# Altium PCB Jetson AGX Xavier Carrier Board.PcbDoc (part 4 of 4)
Units mil, origin at the board's own origin, x right, y up, seen from the top; angles counter-clockwise.
Board outline 6000 x 4000 mil, 10 copper layers (Top Layer, Int1 (GND), Int2 (PWR), Int3 (Sign), Int4 (GND, Int5 (GND), Int6 (Sign), Int7 (PWR), Int8 (GND), Bottom Layer), stack 61.78 mil thick; 553 components, 749 nets, 2510 pads, 297 vias.
Unrouted connection lines stored in the file: 1324.
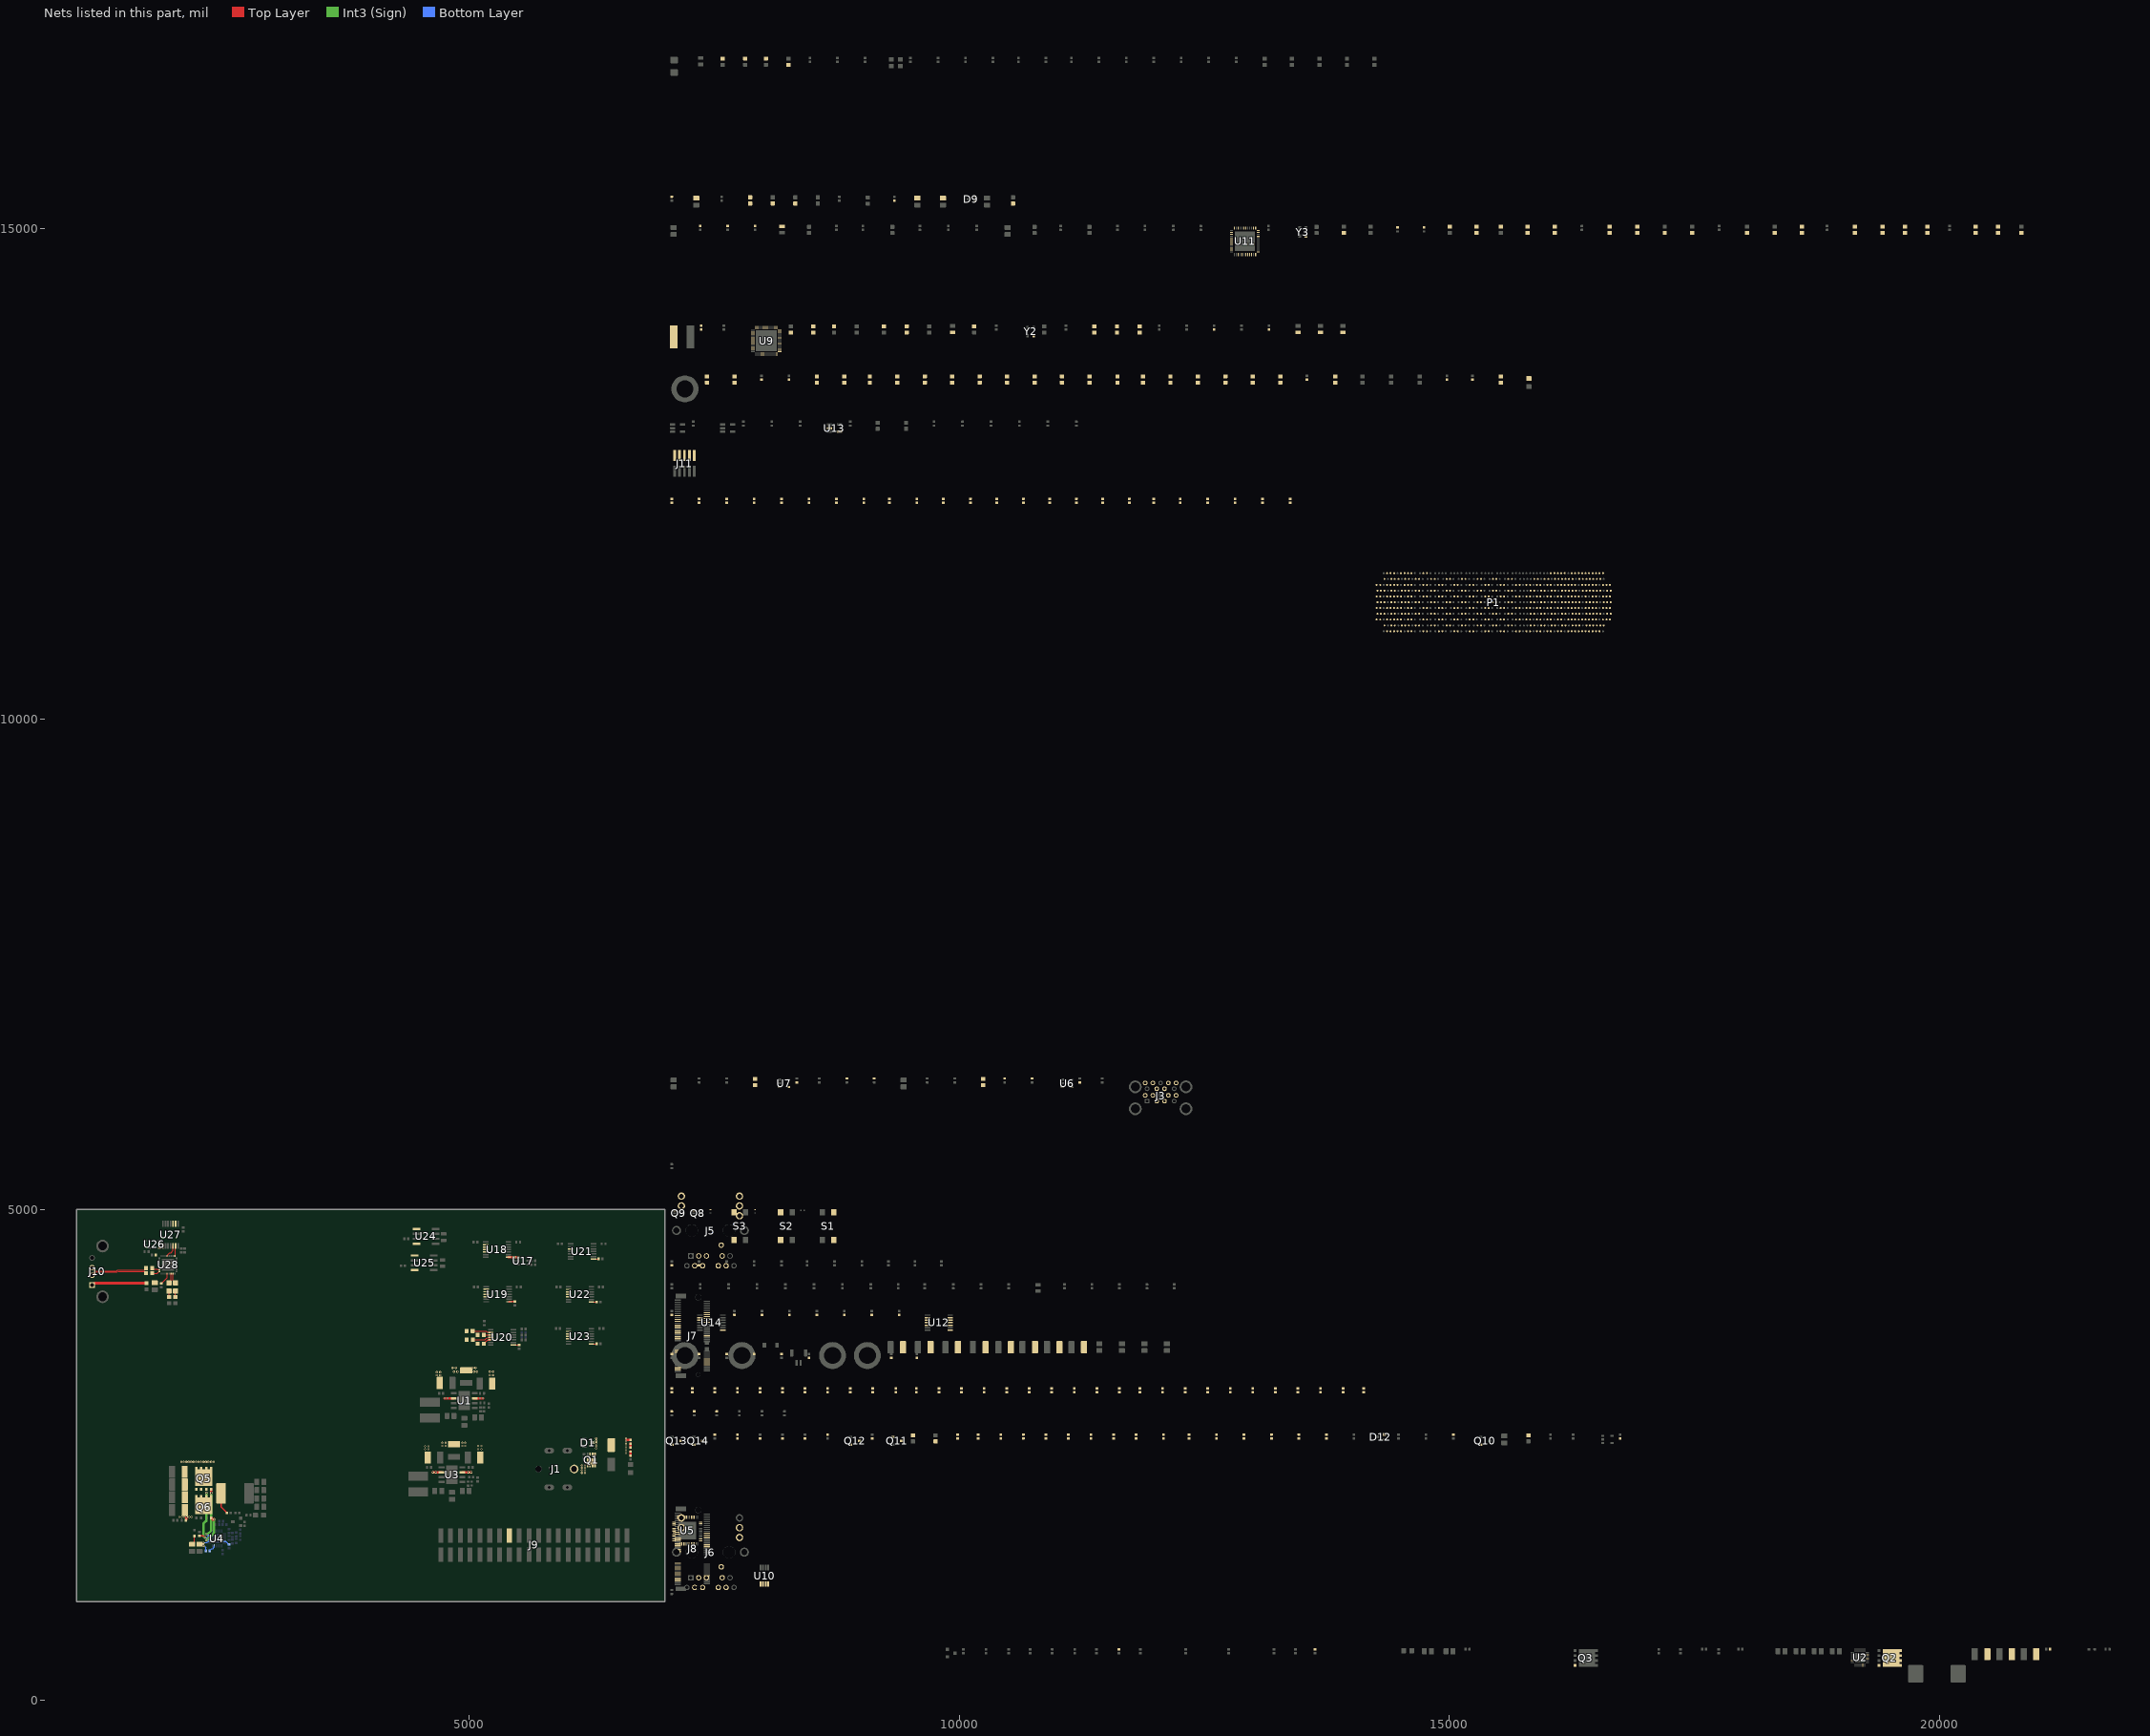
[diagram p12: the nets of this part, all layers, seen from the top]

## Via types
v1: diameter 22, hole 10, Top Layer to Bottom Layer, 297 vias

## Nets (pads, with @x,y where several pads share a name; then routed paths per layer and width w, separated by ;. In a path a pad name is that pad's centre, name@x,y a point inside that pad or via, vN(x,y) a via of type N, cw(c..) or ccw(c..) an arc to the next point about the centre after c; other vN are vias at no path point) (continued)
NetD14_2: D14.2 R140.2
NetD15_1: D15.1 R185.1 | length 62.3
  Top Layer w10: R185.1@2010,4105 D15.1@2010,4167.32
NetD16_1: D16.1 R186.1 | length 62.3
  Top Layer w10: R186.1@1945,4105 D16.1@1945,4167.32
NetJ5_13: J5.13 U9.38 U10.1
NetJ5_14: J5.14 R86.2
NetJ5_15: J5.15 R93.1 U9.37 U10.3
NetJ5_16: J5.16 R89.2
NetJ5_17: J5.17 R88.2 R91.1
NetJ6_14: J6.14 R110.2
NetJ6_16: J6.16 R112.2
NetJ7_8: J7.8 U12.2
NetJ7_10: J7.10 U12.3
NetJ7_12: J7.12 U12.4
NetJ7_14: J7.14 U12.5
NetJ7_21: J7.21
NetJ7_23: J7.23
NetJ7_38: J7.38
NetJ7_56: J7.56 R136.1 U13.2
NetJ7_59: J7.59
NetJ7_62: J7.62 R138.1
NetJ8_5: J8.5 R143.2
NetJ8_7: J8.7 R145.2
NetJ8_10: J8.10 R140.1
NetJ8_11: J8.11 R147.2
NetJ8_13: J8.13 R148.2
NetJ8_17: J8.17 R149.2
NetJ8_19: J8.19 R150.2
NetJ8_23: J8.23 R151.2
NetJ8_25: R152.2
NetJ8_29: R153.2
NetJ8_31: R154.2
NetJ8_35: J8.35 R155.2
NetJ8_37: J8.37 R156.2
NetJ8_41: J8.41 R157.2
NetJ8_43: J8.43 R158.2
NetJ8_47: J8.47 R159.2
NetJ8_49: J8.49 R160.2
NetJ8_50: J8.50 R163.1 R165.2
NetJ8_52: J8.52 R164.1 R166.2
NetJ8_53: J8.53 R162.2
NetJ8_54: J8.54 R144.1 R146.1
NetJ8_55: J8.55 R161.2
NetJ9_16: J9.16
NetL5_1: L5.1 U9.32
NetP1_A53: P1.A53 R176.1
NetP1_C53: P1.C53 R177.1
NetQ2_2: Q2.2 U2.17
NetQ3_2: Q3.2 U2.15
NetQ5_2: Q5.2 U4.17 | length 526.8
  Top Layer w25: Q5.2@2374.51,2145 2375,2144.51 v1(2375,2110)
  Int3 (Sign) w25: v1(2323.72,1690) 2339.7,1690 2375,1725.31 v1(2375,2110)
  Bottom Layer w15: v1(2323.72,1690) 2323.72,1688.79 2336.4,1676.12 2354.86,1676.12 U4.17@2357.24,1673.74
NetQ6_2: Q6.2 U4.15 | length 320
  Top Layer w25: Q6.2@2375.49,1855.7 2375.49,1854.22 2389.93,1839.78 v1(2404,1839.78)
  Int3 (Sign) w25: v1(2324.25,1626) 2325.53,1626 2404,1704.47 v1(2404,1839.78)
  Bottom Layer w15: v1(2324.25,1626) 2326.15,1626 2332.14,1631.99 2354.86,1631.99 U4.15@2357.24,1634.37
NetQ8_1: Q8.1 Q9.3 R44.1
NetQ8_3: Q8.3 R43.1
NetQ9_1: Q9.1 R45.2 R46.2
NetQ11_1: Q11.1 R69.1 R70.2
NetQ11_3: Q11.3 R61.1 R62.1 R63.1 R64.1 R65.1 R66.1 R67.1 R68.1
NetQ14_3: Q14.3 R76.1 R77.2
NetQ15_2: R128.2 U11.43
NetR1_1: R1.1 R3.2 | length 40.3
  Top Layer w25: R3.2@6650,2570 R1.1@6650,2610.32
NetR3_1: R3.1 R4.2 | length 41.3
  Top Layer w25: R4.2@6650,2489.37 R3.1@6650,2530.63
NetR10_2: R10.2 U2.11
NetR15_2: R15.2 U2.5
NetR24_2: R24.2 U4.11 | length 74.1
  Bottom Layer w10: R24.2@2359.68,1520 2359.68,1521.97 2377.98,1540.27 2391.46,1540.27 2403.98,1552.79 2403.98,1567.72 U4.11@2404.09,1567.83
NetR29_2: R29.2 U4.5 | length 58.5
  Bottom Layer w10: U4.5@2510,1614.68 2522.4,1614.68 2527.97,1609.12 2530.5,1609.12 2546.22,1593.4 2546.22,1591.5 2553.03,1584.68 R29.2@2555,1584.68
NetR48_1: R48.1
NetR49_2: R49.2 U5.56
NetR50_2: R50.2 U5.41
NetR51_2: R51.2 U5.40
NetR53_1: R53.1 R54.2 U6.3 U6.4
NetR54_1: R54.1
NetR55_1: R55.1 R56.2 U7.3 U7.4
NetR56_1: R56.1
NetR78_1: R78.1 R81.2 U9.42
NetR79_1: R79.1 R82.2 U9.44
NetR80_1: R80.1 R83.2 U9.43
NetR85_1: R85.1 U9.29
NetR88_1: R88.1 U9.36 U10.2
NetR90_2: R90.2 U9.24
NetR91_2: R91.2 U9.35
NetR92_1: R92.1 U9.48
NetR93_2: R93.2 U10.4
NetR94_1: R94.1 R111.2 U11.37
NetR95_2: R95.2 U11.24
NetR96_2: R96.2 U11.19
NetR97_2: R97.2 U11.20
NetR98_2: R98.2 U11.21
NetR99_2: R99.2 U11.22
NetR100_2: R100.2 U11.25
NetR106_2: R106.2 R113.2 U11.33
NetR107_2: R107.2 U11.42
NetR108_2: R108.2 R114.2 U11.38
NetR109_2: R109.2 U11.36
NetR116_1: R116.1 U11.48
NetR132_1: R132.1 U12.8
NetR139_1: R139.1 U14.8
NetR167_1: R167.1 U17.1 U18.8 | length 99.7
  Top Layer w10: U18.8@5406.25,4513.23 U18.8@5406.98,4513.96 ; R167.1@5464.27,4513.96 R167.1@5464.69,4513.54 ; U17.1@5503.86,4513.54 U17.1@5505,4512.4
  Top Layer w25: U18.8@5406.98,4513.96 R167.1@5464.27,4513.96 ; R167.1@5464.69,4513.54 U17.1@5503.86,4513.54
NetR168_1: R168.1 U19.8 | length 59.2
  Top Layer w15: U19.8@5411.25,4058.23 5411.82,4058.8 5469.43,4058.8 R168.1@5470,4059.37
NetR169_1: R169.1 U20.8 | length 59.2
  Top Layer w10: U20.8@5456.25,3618.23 5456.82,3618.8 5514.43,3618.8 R169.1@5515,3619.37
NetR174_2: R174.2 U20.2 | length 189.5
  Top Layer w6: R174.2@5040,3760 5175.82,3760 5187.64,3748.18 5221.75,3748.18 U20.2@5223.75,3746.18
NetR175_2: R175.2 U20.3 | length 69
  Top Layer w6: R175.2@5155.59,3720.59 U20.3@5223.75,3720.59
  Top Layer w10: R175.2@5155,3720 R175.2@5155.59,3720.59
NetR176_2: R176.2 U20.4 | length 191.1
  Top Layer w6: R176.2@5042.99,3670 5165.68,3670 5181.5,3685.82 5181.64,3685.82 5188.82,3693 5221.75,3693 U20.4@5223.75,3695
NetR177_2: R177.2 U20.5 | length 86.2
  Top Layer w6: R177.2@5155,3630 5155,3631.97 5173.03,3650 5173.97,3650 5191.38,3667.41 5221.75,3667.41 U20.5@5223.75,3669.41
NetR178_1: R178.1 U21.8 | length 53.1
  Top Layer w10: U21.8@6272.5,4494.41 6272.8,4494.7 6325.02,4494.7 R178.1@6325.31,4495
NetR179_1: R179.1 U22.8 | length 55.6
  Top Layer w10: U22.8@6250,4056.46 6250.73,4055.73 6304.27,4055.73 R179.1@6305,4055
NetR180_1: R180.1 U23.8 | length 56.1
  Top Layer w10: U23.8@6250,3628.82 6250.59,3629.41 6305.04,3629.41 R180.1@6305.63,3630
NetR183_1: R183.1 U26.1 U27.8
NetR184_2: R184.2 U28.16 | length 78.2
  Top Layer w10: R184.2@1775,4350 1826.47,4350 1842.57,4366.1 U28.16@1846.57,4366.1
NetR187_2: R187.2 U28.15 | length 78.6
  Top Layer w10: R187.2@1775,4400 1775,4398.03 1782.19,4390.85 1821.87,4390.85 1826.93,4385.79 U28.15@1846.57,4385.79
NetU9_47: U9.47 Y2.3
NetU11_46: U11.46 Y3.3
NetU12_10: U12.10
NetU12_11: U12.11
NetU12_12: U12.12
NetU12_13: U12.13
NetU13_4: U13.4
NetU14_2: U14.2
NetU14_3: U14.3
NetU21_3: U21.3
NetU23_3: U23.3
NetU23_4: U23.4
NetU23_5: U23.5
NV0HS0.RX_N: P1.D25
NV0HS0.RX_P: P1.D24
NV0HS0.TX_N: C63.2
NV0HS0.TX_P: C61.2
NV0HS0_TX_N: C63.1 P1.H25
NV0HS0_TX_P: C61.1 P1.H24
NV0HS1.RX_N: P1.B24
NV0HS1.RX_P: P1.B25
NV0HS1.TX_N: C67.2
NV0HS1.TX_P: C65.2
NV0HS1_TX_N: C67.1 P1.K24
NV0HS1_TX_P: C65.1 P1.K25
NV0HS2.RX_N: P1.C26
NV0HS2.RX_P: P1.C27
NV0HS2.TX_N: C71.2
NV0HS2.TX_P: C69.2
NV0HS2_TX_N: C71.1 P1.G26
NV0HS2_TX_P: C69.1 P1.G27
NV0HS3.RX_N: P1.A27
NV0HS3.RX_P: P1.A26
NV0HS3.TX_N: C75.2
NV0HS3.TX_P: C73.2
NV0HS3_TX_N: C75.1 P1.J27
NV0HS3_TX_P: C73.1 P1.J26
NV0HS4.RX_N: P1.D29
NV0HS4.RX_P: P1.D28
NV0HS4.TX_N: C79.2
NV0HS4.TX_P: C77.2
NV0HS4_TX_N: C79.1 P1.H29
NV0HS4_TX_P: C77.1 P1.H28
NV0HS5.RX_N: P1.B28
NV0HS5.RX_P: P1.B29
NV0HS5.TX_N: C83.2
NV0HS5.TX_P: C81.2
NV0HS5_TX_N: C83.1 P1.K28
NV0HS5_TX_P: C81.1 P1.K29
NV0HS6.RX_N: P1.C30
NV0HS6.RX_P: P1.C31
NV0HS6.TX_N: C87.2
NV0HS6.TX_P: C85.2
NV0HS6_TX_N: C87.1 P1.G30
NV0HS6_TX_P: C85.1 P1.G31
NV0HS7.RX_N: P1.A31
NV0HS7.RX_P: P1.A30
NV0HS7.TX_N: C91.2
NV0HS7.TX_P: C89.2
NV0HS7_TX_N: C91.1 P1.J31
NV0HS7_TX_P: C89.1 P1.J30
NV0HS_CLK0.REFCLK_N: P1.E31
NV0HS_CLK0.REFCLK_P: P1.E30
NV0HS_CLK1.REFCLK_N: P1.F33
NV0HS_CLK1.REFCLK_P: P1.F32
NV1HS0.RX_N: P1.C35
NV1HS0.RX_P: P1.C34
NV1HS0.TX_N: C64.2
NV1HS0.TX_P: C62.2
NV1HS0_TX_N: C64.1 P1.K33
NV1HS0_TX_P: C62.1 P1.K32
NV1HS1.RX_N: P1.B32
NV1HS1.RX_P: P1.B33
NV1HS1.TX_N: C68.2
NV1HS1.TX_P: C66.2
NV1HS1_TX_N: C68.1 P1.G34
NV1HS1_TX_P: C66.1 P1.G35
NV1HS2.RX_N: P1.D32
NV1HS2.RX_P: P1.D33
NV1HS2.TX_N: C72.2
NV1HS2.TX_P: C70.2
NV1HS2_TX_N: C72.1 P1.J34
NV1HS2_TX_P: C70.1 P1.J35
NV1HS3.RX_N: P1.A35
NV1HS3.RX_P: P1.A34
NV1HS3.TX_N: C76.2
NV1HS3.TX_P: C74.2
NV1HS3_TX_N: C76.1 P1.H33
NV1HS3_TX_P: C74.1 P1.H32
NV1HS4.RX_N: P1.D37
NV1HS4.RX_P: P1.D36
NV1HS4.TX_N: C80.2
NV1HS4.TX_P: C78.2
NV1HS4_TX_N: C80.1 P1.K37
NV1HS4_TX_P: C78.1 P1.K36
NV1HS5.RX_N: P1.B36
NV1HS5.RX_P: P1.B37
NV1HS5.TX_N: C84.2
NV1HS5.TX_P: C82.2
NV1HS5_TX_N: C84.1 P1.J38
NV1HS5_TX_P: C82.1 P1.J39
NV1HS6.RX_N: P1.C38
NV1HS6.RX_P: P1.C39
NV1HS6.TX_N: C88.2
NV1HS6.TX_P: C86.2
NV1HS6_TX_N: C88.1 P1.G38
NV1HS6_TX_P: C86.1 P1.G39
NV1HS7.RX_N: P1.A39
NV1HS7.RX_P: P1.A38
NV1HS7.TX_N: C92.2
NV1HS7.TX_P: C90.2
NV1HS7_TX_N: C92.1 P1.H37
NV1HS7_TX_P: C90.1 P1.H36
NV1HS_CLK0.REFCLK_N: P1.F37
NV1HS_CLK0.REFCLK_P: P1.F36
NV1HS_CLK1.REFCLK_N: P1.E35
NV1HS_CLK1.REFCLK_P: P1.E34
NV_CAM_MCLK1: P1.H9
NV_CAM_MCLK2: P1.J54
NV_CAM_MCLK3: P1.H53
NV_CAM_MCLK4: P1.H55
NV_CAM_MCLK5: P1.L57
NV_CAN0.DATA_IN: P1.F58 U24.4
NV_CAN0.DATA_OUT: P1.D59 U24.1
NV_CAN1.DATA_IN: P1.B61 U25.4
NV_CAN1.DATA_OUT: P1.H61 U25.1
NV_CSI0.CLK_N: P1.F42
NV_CSI0.CLK_P: P1.F43
NV_CSI0.DATA0_N: P1.E41
NV_CSI0.DATA0_P: P1.E42
NV_CSI0.DATA1_N: P1.E38
NV_CSI0.DATA1_P: P1.E39
NV_CSI1.CLK_N: P1.H42
NV_CSI1.CLK_P: P1.H43
NV_CSI1.DATA0_N: P1.G42
NV_CSI1.DATA0_P: P1.G41
NV_CSI1.DATA1_N: P1.J42
NV_CSI1.DATA1_P: P1.J41
NV_CSI2.CLK_N: P1.B42
NV_CSI2.CLK_P: P1.B43
NV_CSI2.DATA0_N: P1.A42
NV_CSI2.DATA0_P: P1.A41
NV_CSI2.DATA1_N: P1.C41
NV_CSI2.DATA1_P: P1.C42
NV_CSI3.CLK_N: P1.F45
NV_CSI3.CLK_P: P1.F46
NV_CSI3.DATA0_N: P1.E44
NV_CSI3.DATA0_P: P1.E45
NV_CSI3.DATA1_N: P1.G45
NV_CSI3.DATA1_P: P1.G44
NV_CSI4.CLK_N: P1.F49
NV_CSI4.CLK_P: P1.F48
NV_CSI4.DATA0_N: P1.G47
NV_CSI4.DATA0_P: P1.G48
NV_CSI4.DATA1_N: P1.E48
NV_CSI4.DATA1_P: P1.E47
NV_CSI5.CLK_N: P1.C45
NV_CSI5.CLK_P: P1.C44
NV_CSI5.DATA0_N: P1.D43
NV_CSI5.DATA0_P: P1.D42
NV_CSI5.DATA1_N: P1.D45
NV_CSI5.DATA1_P: P1.D46
NV_CSI6.CLK_N: P1.J45
NV_CSI6.CLK_P: P1.J44
NV_CSI6.DATA0_N: P1.K43
NV_CSI6.DATA0_P: P1.K44
NV_CSI6.DATA1_N: P1.H45
NV_CSI6.DATA1_P: P1.H46
NV_CSI7.CLK_N: P1.B46
NV_CSI7.CLK_P: P1.B45
NV_CSI7.DATA0_N: P1.A45
NV_CSI7.DATA0_P: P1.A44
NV_CSI7.DATA1_N: P1.C48
NV_CSI7.DATA1_P: P1.C47
NV_DBG_SEL: P1.G60
NV_DP0.AUX_N: P1.F51
NV_DP0.AUX_P: P1.F52
NV_DP0.HPD: P1.K52 R37.2
NV_DP0.TX0_N: P1.H48
NV_DP0.TX0_P: P1.H49
NV_DP0.TX1_N: P1.G50
NV_DP0.TX1_P: P1.G51
NV_DP0.TX2_N: P1.J48
NV_DP0.TX2_P: P1.J47
NV_DP0.TX3_N: P1.K47
NV_DP0.TX3_P: P1.K46
NV_DP1.AUX_N: P1.J53
NV_DP1.AUX_P: P1.J52
NV_DP1.HPD: P1.K51 R38.2
NV_DP1.TX0_N: P1.A48
NV_DP1.TX0_P: P1.A47
NV_DP1.TX1_N: P1.B48
NV_DP1.TX1_P: P1.B49
NV_DP1.TX2_N: P1.D48
NV_DP1.TX2_P: P1.D49
NV_DP1.TX3_N: P1.E51
NV_DP1.TX3_P: P1.E50
NV_DP2.AUX_N: P1.G54
NV_DP2.AUX_P: P1.G53 Q12.2 Q13.2 R71.1 R73.1
NV_DP2.HPD: P1.K50 Q14.2 R39.2 R75.1
NV_DP2.TX0_N: C176.1 P1.D52
NV_DP2.TX0_P: C175.1 P1.D51
NV_DP2.TX1_N: C178.1 P1.B52
NV_DP2.TX1_P: C177.1 P1.B51
NV_DP2.TX2_N: C180.1 P1.A50
NV_DP2.TX2_P: C179.1 P1.A51
NV_DP2.TX3_N: C182.1 P1.C50
NV_DP2.TX3_P: C181.1 P1.C51
NV_DP2_HPD: R76.2
NV_FAN.PWM: P1.K62 R45.1
NV_FAN.TACH: C135.2 P1.E54 R41.1
NV_GPIO.GPIO01: P1.J4
NV_GPIO.GPIO02: P1.L6
NV_GPIO.GPIO03: P1.D54
NV_GPIO.GPIO04: P1.B59
NV_GPIO.GPIO05: P1.A59
NV_GPIO.GPIO06: P1.E59
NV_GPIO.GPIO07: P1.F59
NV_GPIO.GPIO08: P1.B62
NV_GPIO.GPIO09: P1.C61
NV_GPIO.GPIO10: P1.A62
NV_GPIO.GPIO11: P1.B8
NV_GPIO.GPIO12: P1.E10
NV_GPIO.GPIO13: P1.G7
NV_GPIO.GPIO14: P1.L15
NV_GPIO.GPIO15: P1.F10
NV_GPIO.GPIO16: P1.F9
NV_GPIO.GPIO17: P1.A54
NV_GPIO.GPIO18: P1.C55
NV_GPIO.GPIO19: P1.K56
NV_GPIO.GPIO20: P1.A58
NV_GPIO.GPIO21: P1.B58
NV_GPIO.GPIO22: P1.F54
NV_GPIO.GPIO23: P1.G55
NV_GPIO.GPIO24: P1.J51
NV_GPIO.GPIO25: P1.K49
NV_GPIO.GPIO26: P1.H51
NV_GPIO.GPIO27: P1.H52
NV_GPIO.GPIO28: P1.L9
NV_GPIO.GPIO29: P1.A7
NV_GPIO.GPIO30: P1.B55
NV_GPIO.GPIO31: P1.H60
NV_GPIO.GPIO32: P1.J55
NV_GPIO.GPIO33: P1.C54
NV_GPIO.GPIO34: P1.A55
NV_GPIO.GPIO35: P1.L50
NV_GPIO.GPIO36: P1.F56
NV_HDMI_CEC: D12.2 P1.J50 Q10.2 R57.1
NV_HDMI_CEC_CON: C174.2 R59.2
NV_HDMI_DDC_CLK: Q12.3 R72.2
NV_HDMI_DDC_DATA: Q13.3 R74.1
NV_HDMI_TMDS0_N: C180.2 R63.2
NV_HDMI_TMDS0_P: C179.2 R64.2
NV_HDMI_TMDS1_N: C178.2 R65.2
NV_HDMI_TMDS1_P: C177.2 R66.2
NV_HDMI_TMDS2_N: C176.2 R67.2
NV_HDMI_TMDS2_P: C175.2 R68.2
NV_HDMI_TMDSCLK_N: C182.2 R61.2
NV_HDMI_TMDSCLK_P: C181.2 R62.2
NV_I2C1.CLK: P1.K5
NV_I2C1.DATA: P1.L8
NV_I2C2.CLK: J7.60 P1.J61 R174.1
NV_I2C2.DATA: J7.58 P1.K61 R134.1 R135.1 R175.1
NV_I2C3.CLK: P1.F53
NV_I2C3.DATA: P1.E53
NV_I2C4.CLK: J8.40 P1.D61 R141.1
NV_I2C4.DATA: J8.42 P1.E60 R142.1
NV_I2S0.CLK: P1.L14
NV_I2S0.DATA_IN: P1.H8
NV_I2S0.DATA_OUT: P1.C7
NV_I2S0.FRAME_SYNC: P1.D8
NV_I2S1.CLK: P1.G4
NV_I2S1.DATA_IN: P1.F6
NV_I2S1.DATA_OUT: P1.F5
NV_I2S1.FRAME_SYNC: P1.E4
NV_I2S2.CLK: P1.C59 U19.2
NV_I2S2.DATA_IN: P1.J59 U19.4
NV_I2S2.DATA_OUT: P1.K59 U19.3
NV_I2S2.FRAME_SYNC: P1.C60 U19.5
NV_JTAG.TCK: J11.2 P1.A60 R192.1 R197.2
NV_JTAG.TDI: J11.6 P1.B60 R190.1 R195.2
NV_JTAG.TDO: J11.4 P1.D58 R191.1 R196.2
NV_JTAG.TMS: J11.10 P1.E58 R188.1 R193.2
NV_JTAG.TRST_N: J11.8 P1.G61 R189.1 R194.2
NV_JTAG_SEL: P1.H59
NV_MOD_PRSNT.PRSNT_OUT: P1.L63 R40.1 S1.3 S1.4
NV_PCIE_CTRL0.CLK_N: P1.E14 R162.1
NV_PCIE_CTRL0.CLK_P: P1.E15 R161.1
NV_PCIE_CTRL0.CLKREQ_N: P1.E11 R166.1
NV_PCIE_CTRL0.RST_N: P1.D10 R165.1
NV_PCIE_CTRL1.CLK_N: P1.F17
NV_PCIE_CTRL1.CLK_P: P1.F16
NV_PCIE_CTRL1.CLKREQ_N: P1.D9
NV_PCIE_CTRL1.RST_N: P1.B9
NV_PCIE_CTRL2.CLK_N: P1.E18 U9.26
NV_PCIE_CTRL2.CLK_P: P1.E19 U9.25
NV_PCIE_CTRL2.CLKREQ_N: P1.J11 R81.1
NV_PCIE_CTRL2.RST_N: P1.K10 R82.1
NV_PCIE_CTRL3.CLK_N: J7.49 P1.F21
NV_PCIE_CTRL3.CLK_P: J7.47 P1.F20
NV_PCIE_CTRL3.CLKREQ_N: J7.53 P1.J10
NV_PCIE_CTRL3.RST_N: J7.52 P1.K9 R133.1
NV_PCIE_CTRL4.CLK_N: P1.E22
NV_PCIE_CTRL4.CLK_P: P1.E23
NV_PCIE_CTRL4.CLKREQ_N: P1.G8
NV_PCIE_CTRL4.RST_N: P1.J9
NV_PCIE_CTRL5.CLK_N: P1.F25
NV_PCIE_CTRL5.CLK_P: P1.F24
NV_PCIE_CTRL5.CLKREQ_N: P1.C8
NV_PCIE_CTRL5.RST_N: P1.H10
NV_PCIE_WAKE_N: J7.55 P1.A8 R83.1 R137.1 R146.2
NV_PWM01: P1.K57
NV_RGMII.INT_N: P1.J5 R108.1
NV_RGMII.MDC: P1.E6 R109.1
NV_RGMII.MDIO: P1.E7 R111.1
NV_RGMII.RST_N: P1.H5 R107.1
NV_RGMII.RX_CLK: P1.C5 R101.1
NV_RGMII.RX_DATA0: P1.C4 R102.1
NV_RGMII.RX_DATA1: P1.K6 R103.1
NV_RGMII.RX_DATA2: P1.H6 R104.1
NV_RGMII.RX_DATA3: P1.E5 R105.1
NV_RGMII.RX_EN: P1.D5 R106.1
NV_RGMII.TX_CLK: P1.B5 R95.1
NV_RGMII.TX_DATA0: P1.J6 R96.1
NV_RGMII.TX_DATA1: P1.G5 R97.1
NV_RGMII.TX_DATA2: P1.J7 R98.1
NV_RGMII.TX_DATA3: P1.G6 R99.1
NV_RGMII.TX_EN: P1.K7 R100.1
NV_SDIO.CLK: P1.B6
NV_SDIO.CMD: P1.A5
NV_SDIO.DATA0: P1.E8
NV_SDIO.DATA1: P1.F8
NV_SDIO.DATA2: P1.A4
NV_SDIO.DATA3: P1.D6
NV_SPI1.CLK: P1.J57 U22.4
NV_SPI1.CS0_N: P1.E55 U22.5
NV_SPI1.CS1_N: P1.B56 U23.2
NV_SPI1.MISO: P1.A56 U22.3
NV_SPI1.MOSI: P1.D55 U22.2
NV_SPI2.CLK: P1.E61
NV_SPI2.CS0_N: P1.D60
NV_SPI2.MISO: P1.D62
NV_SPI2.MOSI: P1.F60
NV_SPI3.CLK: P1.F55
NV_SPI3.CS0_N: P1.C57
NV_SPI3.CS1_N: P1.E56
NV_SPI3.MISO: P1.D56
NV_SPI3.MOSI: P1.G56
NV_SYS.CARRIER_PWR_ON: P1.L62
NV_SYS.FORCE_RECOV_N: C130.2 C131.2 D10.2 D11.2 P1.L10 S2.1 S2.2 S3.1 S3.2
NV_SYS.MODULE_PWR_ON: P1.L54
NV_SYS.OVERTEMP_N: P1.L52
NV_SYS.PWR_BTN_N: D9.1 D9.2 P1.L61
NV_SYS.PWR_GOOD: P1.L55
NV_SYS.RST_IN_N: P1.L58
NV_SYS.RST_OUT_N: P1.L60
NV_SYS.SPU_GPIO: P1.L59
NV_SYS.STBY_ACK_N: P1.J60
NV_SYS.STBY_REQ_N: P1.L11
NV_SYS.SYSTEM_OC_N: P1.A61
NV_SYS.TEMP_ALERT_N: P1.L56
NV_SYS.VCOMP_ALERT_N: P1.F61
NV_SYS.WDT_RST_OUT_N: P1.B54
NV_UART1.CTS: P1.H54 U18.4
NV_UART1.RTS: P1.L51 U18.2
NV_UART1.RX: P1.K54 U18.5
NV_UART1.TX: P1.K53 U18.3
NV_UART2.CTS: P1.A57
NV_UART2.RTS: P1.G58
NV_UART2.RX: P1.C56
NV_UART2.TX: P1.C58
NV_UART3_DEBUG.RX: P1.K60 U27.3
NV_UART3_DEBUG.TX: P1.H62 U27.2
NV_UART4.CTS: P1.L49
NV_UART4.RTS: P1.L4
NV_UART4.RX: P1.L48
NV_UART4.TX: P1.L5
NV_UART5.CTS: P1.H57
NV_UART5.RTS: P1.K58
NV_UART5.RX: P1.H58
NV_UART5.TX: P1.J58
NV_UFS_CTRL.CLK: P1.A6
NV_UFS_CTRL.RST_N: P1.C6
NV_UPHY0.RX_N: P1.A23
NV_UPHY0.RX_P: P1.A22
NV_UPHY0.TX_N: C106.2
NV_UPHY0.TX_P: C105.2
NV_UPHY0_TX_N: C106.1 P1.J23
NV_UPHY0_TX_P: C105.1 P1.J22
NV_UPHY1.RX_N: P1.C22
NV_UPHY1.RX_P: P1.C23
NV_UPHY1.TX_N: C108.2
NV_UPHY1.TX_P: C107.2
NV_UPHY1_TX_N: C108.1 P1.G22
NV_UPHY1_TX_P: C107.1 P1.G23
NV_UPHY2.RX_N: P1.B20 R157.1
NV_UPHY2.RX_P: P1.B21 R158.1
NV_UPHY2.TX_N: C110.2 R159.1
NV_UPHY2.TX_P: C109.2 R160.1
NV_UPHY2_TX_N: C110.1 P1.K20
NV_UPHY2_TX_P: C109.1 P1.K21
NV_UPHY3.RX_N: P1.D21 R153.1
NV_UPHY3.RX_P: P1.D20 R154.1
NV_UPHY3.TX_N: C112.2 R155.1
NV_UPHY3.TX_P: C111.2 R156.1
NV_UPHY3_TX_N: C112.1 P1.H21
NV_UPHY3_TX_P: C111.1 P1.H20
NV_UPHY4.RX_N: P1.A19 R149.1
NV_UPHY4.RX_P: P1.A18 R150.1
NV_UPHY4.TX_N: C114.2 R151.1
NV_UPHY4.TX_P: C113.2 R152.1
NV_UPHY4_TX_N: C114.1 P1.J19
NV_UPHY4_TX_P: C113.1 P1.J18
NV_UPHY5.RX_N: P1.C18 R143.1
NV_UPHY5.RX_P: P1.C19 R145.1
NV_UPHY5.TX_N: C116.2 R147.1
NV_UPHY5.TX_P: C115.2 R148.1
NV_UPHY5_TX_N: C116.1 P1.G18
NV_UPHY5_TX_P: C115.1 P1.G19
NV_UPHY6.RX_N: P1.B17
NV_UPHY6.RX_P: P1.B16
NV_UPHY6.TX_N: C118.2
NV_UPHY6.TX_P: C117.2
NV_UPHY6_TX_N: C118.1 P1.K16
NV_UPHY6_TX_P: C117.1 P1.K17
NV_UPHY7.RX_N: J7.43 P1.D17
NV_UPHY7.RX_P: J7.41 P1.D16
NV_UPHY7.TX_N: C120.2 J7.37
NV_UPHY7.TX_P: C119.2 J7.35
NV_UPHY7_TX_N: C120.1 P1.H17
NV_UPHY7_TX_P: C119.1 P1.H16
NV_UPHY8.RX_N: C184.1 P1.A14
NV_UPHY8.RX_P: C183.1 P1.A15
NV_UPHY8.TX_N: C122.2 U9.17
NV_UPHY8.TX_P: C121.2 U9.16
NV_UPHY8_TX_N: C122.1 P1.J15
NV_UPHY8_TX_P: C121.1 P1.J14
NV_UPHY9.RX_N: P1.C14
NV_UPHY9.RX_P: P1.C15
NV_UPHY9.TX_N: C124.2
NV_UPHY9.TX_P: C123.2
NV_UPHY9_TX_N: C124.1 P1.G14
NV_UPHY9_TX_P: C123.1 P1.G15
NV_UPHY10.RX_N: P1.B13
NV_UPHY10.RX_P: P1.B12
NV_UPHY10.TX_N: C126.2
NV_UPHY10.TX_P: C125.2
NV_UPHY10_TX_N: C126.1 P1.K12
NV_UPHY10_TX_P: C125.1 P1.K13
NV_UPHY11.RX_N: P1.D13
NV_UPHY11.RX_P: P1.D12
NV_UPHY11.TX_N: C128.2
NV_UPHY11.TX_P: C127.2
NV_UPHY11_TX_N: C128.1 P1.H13
NV_UPHY11_TX_P: C127.1 P1.H12
NV_UPHY_CLK1.REFCLK_N: P1.E26
NV_UPHY_CLK1.REFCLK_P: P1.E27
NV_UPHY_CLK2.REFCLK_N: P1.F29
NV_UPHY_CLK2.REFCLK_P: P1.F28
NV_USB0.DATA_N: P1.F13
NV_USB0.DATA_P: P1.F12
NV_USB1.DATA_N: P1.C10
NV_USB1.DATA_P: P1.C11
NV_USB2.DATA_N: J7.5 P1.A11
NV_USB2.DATA_P: J7.3 P1.A10
NV_USB3.DATA_N: P1.G10
NV_USB3.DATA_P: P1.G11
PCIE_TRA_N: J5.10 U9.3
PCIE_TRA_P: J5.11 U9.2
PCIE_TRB_N: J5.5 U9.6
PCIE_TRB_P: J5.4 U9.5
PCIE_TRC_N: J5.2 U9.8
PCIE_TRC_P: J5.3 U9.7
PCIE_TRD_N: J5.9 U9.11
PCIE_TRD_P: J5.8 U9.10
PHYAD0: J6.13 R125.1 R129.2 U11.17
PHYAD1: J6.15 R126.1 R130.2 U11.15
PHYAD2: R101.2 R127.1 R131.2 U11.35
RGMII_TRA_N: J6.10 U11.3
RGMII_TRA_P: J6.11 U11.2
RGMII_TRB_N: J6.5 U11.6
RGMII_TRB_P: J6.4 U11.5
RGMII_TRC_N: J6.2 U11.8
RGMII_TRC_P: J6.3 U11.7
RGMII_TRD_N: J6.9 U11.11
RGMII_TRD_P: J6.8 U11.10
RXLED#: D16.2 U28.22 | length 104.7
  Top Layer w10: D16.2@1945,4250 1963.53,4268.53 1963.53,4345.57 U28.22@1964.53,4346.57
SATA_DEV_SLP: P1.B10
SW: C31.2 L3.2 Q5.1 Q6.3 R21.1 U4.16 | length 811.8
  Top Layer w15: C31.2@2255,1670.32 2296.31,1670.32 2311.62,1655 v1(2313.52,1655) ; L3.2@2475,2105 2475,1967.6 2535.63,1906.97 R21.1@2535.63,1905
  Int3 (Sign) w25: v1(2313.52,1655) 2309.37,1655 2294.72,1669.64 2294.72,1794.42 2325,1824.69 v1(2325,2110)
  Bottom Layer w15: v1(2313.52,1655) 2313.99,1654.53 2356.77,1654.53 U4.16@2357.24,1654.06
TXLED#: D15.2 U28.23 | length 107.3
  Top Layer w10: U28.23@1984.21,4346.57 1984.21,4275.85 2010,4250.06 D15.2@2010,4250
UART_RX_3V3: U27.12 U28.5 | length 135.6
  Top Layer w10: U28.5@1925.16,4523.43 1926.16,4524.43 1926.16,4528.43 1929.84,4532.11 1929.84,4537.27 1951.76,4559.18 1963.67,4559.18 1985.59,4581.1 U27.12@1985.59,4627.01
UART_TX_3V3: U27.13 U28.1 | length 106.6
  Top Layer w10: U28.1@2003.9,4523.43 2003.9,4527.43 2011.18,4534.71 U27.13@2011.18,4627.01
USB2_1.DATA_N: J3.2
USB2_1.DATA_P: J3.3
USB2_2.DATA_N: J3.11
USB2_2.DATA_P: J3.12
USB2DN1.DATA_N: U5.2
USB2DN1.DATA_P: U5.1
USB2DN2.DATA_N: U5.9
USB2DN2.DATA_P: U5.8
USB2DN3.DATA_N: U5.18
USB2DN3.DATA_P: U5.17
USB2DN4.DATA_N: U5.25
USB2DN4.DATA_P: U5.24
USB2UP.DATA_N: U5.46
USB2UP.DATA_P: U5.45
USB3_1.RX_N: J3.5
USB3_1.RX_P: J3.6
USB3_1.TX_N: C159.2 J3.8
USB3_1.TX_P: C160.2 J3.9
USB3_2.RX_N: J3.14
USB3_2.RX_P: J3.15
USB3_2.TX_N: C164.2 J3.17
USB3_2.TX_P: C165.2 J3.18
USB3DN1.RX_N: U5.7
USB3DN1.RX_P: U5.6
USB3DN1.TX_N: U5.4
USB3DN1.TX_P: U5.3
USB3DN2.RX_N: U5.14
USB3DN2.RX_P: U5.13
USB3DN2.TX_N: U5.11
USB3DN2.TX_P: U5.10
USB3DN3.RX_N: U5.23
USB3DN3.RX_P: U5.22
USB3DN3.TX_N: U5.20
USB3DN3.TX_P: U5.19
USB3DN4.RX_N: U5.30
USB3DN4.RX_P: U5.29
USB3DN4.TX_N: U5.27
USB3DN4.TX_P: U5.26
USB3UP.RX_N: U5.51
USB3UP.RX_P: U5.50
USB3UP.TX_N: U5.48
USB3UP.TX_P: U5.47
USB_5V: C269.2 C270.2 C271.2 J10.1 U28.20 | length 689
  Top Layer w10: C271.2@1865,4244.37 1866.97,4244.37 1925.16,4302.56 U28.20@1925.16,4346.57
  Top Layer w25: J10.1@1160,4229.41 1175.61,4245.02 1187.28,4245.02 1190.26,4247.99 C269.2@1713.03,4247.99
USBD_N: J10.2 R184.1 | length 577.3
  Top Layer w10: J10.2@1160,4327.83 1192.37,4360.2 1416.61,4360.2 1424.4,4368 1683.41,4368 1684.75,4366.65 1697.32,4366.65 1712.01,4351.97 R184.1@1712.01,4350
USBD_P: J10.3 R187.1 | length 586.6
  Top Layer w10: J10.3@1160,4406.57 1192.37,4374.2 1410.81,4374.2 1418.6,4382 1683.41,4382 1684.75,4383.35 1697.32,4383.35 1712.01,4398.03 R187.1@1712.01,4400 R187.1@1705.43,4406.57
VBAT: C1.1 C3.2 C4.2 C5.2 C17.2 C18.2 C19.2 C32.2 C33.2 C34.2 C35.2 C47.2 C48.2 C49.2 C97.2 C98.2 C99.2 C100.2 C101.2 C102.2 C103.2 C104.2 D1.3 P1.B3 P1.B63 P1.C1 P1.C2 P1.C63 P1.C64 P1.C65 P1.D1 P1.D2 P1.D3 P1.D64 P1.D65 P1.E1 P1.E2 P1.E63 P1.E64 P1.E65 P1.F1 P1.F2 P1.F3 P1.F63 P1.F64 P1.F65 P1.G1 P1.G2 P1.G63 P1.G64 P1.G65 P1.H1 P1.H2 P1.H3 P1.H64 P1.H65 P1.J1 P1.J2 P1.J63 P1.J64 P1.J65 P1.K3 Q1.3 Q2.3 Q5.3 R1.2 R5.2 R19.2 U1.2 U1.7 U3.2 U3.7 | length 434.3
  Top Layer w10: R19.2@2114.37,1830 R19.2@2121.18,1836.81 ; v1@2121.18,1857.93 2125,1861.75 v1(2125,1865) ; 6610,2650 6610.31,2649.68
  Top Layer w25: R19.2@2121.18,1836.81 v1@2121.18,1857.93 ; v1(4635,2320) v1(4665,2320) U3.2@4723.7,2320 ; v1(4755,3075) v1(4785,3075) U1.2@4843.7,3075 ; U3.7@4936.3,2320 v1(4995,2320) v1(5025,2320) ; U1.7@5056.3,3075 v1(5115,3075) v1(5145,3075) ; 6610.31,2649.68 R1.2@6650,2649.68
  other v1: 2050,1865 2075,1865 2100,1865 2150,1865 2175,1865 2070,2425 2095,2425 2120,2425 2145,2425 2170,2425 2195,2425 2220,2425 2245,2425 2270,2425 2295,2425 2320,2425 2345,2425 2375,2425 2400,2425 6605,2515 6605,2545 4555,2555 4590,2555 5095,2555 5130,2555 6300,2565 6605,2575 4555,2585 4590,2585 4730,2590 4765,2590 4935,2590 4965,2590 5095,2590 5130,2590 6300,2590 6605,2605 6300,2615 4730,2620 4765,2620 4935,2620 4965,2620 6605,2635 6300,2640 6300,2665 6605,2665 4675,3310 4710,3310 5215,3310 5250,3310 4675,3340 4710,3340 4850,3345 4885,3345 5055,3345 5085,3345 5215,3345 5250,3345 4835,3385 4870,3385 5040,3385 5070,3385
VBAT_CON: J1.1 Q1.1
  other v1: 6155,2315 6185,2315 6155,2340 6185,2340 6155,2365 6185,2365 6155,2390 6185,2390
VDD: C45.2 C46.2 D5.2 R24.1 U4.14 | length 261.4
  Top Layer w10: C45.2@2180,1585 2185.39,1585 2205,1604.61 D5.2@2205,1670.08
  Bottom Layer w10: R24.1@2320.32,1520 2320.32,1551.44 2313.24,1558.51 2309.74,1558.51 2298.25,1570 v1(2295,1570) v1(2295,1600) 2297.3,1602.3 2329.92,1602.3 2336.75,1609.12 2339.28,1609.12 2344.72,1614.57 2357.13,1614.57 U4.14@2357.24,1614.68
pads on no net: D1.2 H1.0 H2.0 H3.0 H4.0 J1. J1.2@5819.96,2540 J1.2@5839.65,2352.99 J5. J6. J6.17 J7. J7.6 J7.9 J7.11 J7.13 J7.15 J7.16 J7.17 J7.19 J7.20 J7.22 J7.32 J7.34 J7.36 J7.40 J7.42 J7.44 J7.46 J7.48 J7.50 J7.54 J7.61 J7.64 J7.65 J7.66 J7.67 J7.68 J7.70 J7.71 J7.73 J8. J8.6 J8.8 J8.20 J8.22 J8.32 J8.34 J8.36 J8.38 J8.44 J8.46 J8.48 J8.56 J8.58 J8.59 J8.60 J8.61 J8.62 J8.63 J8.64 J8.65 J8.66 J8.67 J8.68 J8.69 J8.SH1 J8.SH2 J9.03 J9.05 J9.07 J9.08 J9.10 J9.11 J9.12 J9.13 J9.15 J9.18 J9.19 J9.21 J9.22 J9.23 J9.24 J9.26 J9.27 J9.28 J9.29 J9.31 J9.32 J9.33 J9.35 J9.36 J9.37 J9.38 J9.40 J11.9 M1.0 P1. P1.B40 P1.D40 P1.F40 P1.G59 P1.H40 P1.K40 P1.L18 P1.L19 P1.L41 P1.L42 P1.L44 P1.L45 P1.L47 P2.0 Q8.4 Q8.5 Q8.6 Q9.4 Q9.5 Q9.6 R34.1 R35.1 R36.1 R84.1 R84.2 U2.7 U2.19 U2.20 U2.21 U2.22 U4.7 U4.19 U4.20 U4.21 U4.22 U5.32 U5.34 U5.35 U5.36 U5.38 U5.39 U8.3 U9.46 U10.6 U10.7 U11.13 U11.14 U11.45 U11.47 U11.49 U12.6 U12.9 U13.1 U14.4 U14.5 U14.6 U14.9 U14.10 U14.11 U14.12 U14.13 U15.1 U15.2 U15.4 U16.1 U16.2 U16.4 U17.3 U18.6 U18.9 U18.10 U18.11 U18.12 U18.13 U19.6 U19.9 U19.10 U19.11 U19.12 U19.13 U20.6 U20.9 U21.2 U21.4 U21.5 U21.6 U21.9 U21.10 U21.11 U21.12 U21.13 U22.6 U22.9 U22.10 U22.11 U22.12 U22.13 U23.6 U23.9 U23.10 U23.11 U23.12 U23.13 U24.5 U24.8 U25.5 U25.8 U26.3 U27.4 U27.5 U27.6 U27.9 U27.10 U27.11 U28.2 U28.3 U28.6 U28.8 U28.9 U28.10 U28.11 U28.12 U28.13 U28.14 U28.19 U28.24 U28.27 U28.28 U28.29 U28.30 U28.31 U28.32 U28.33

## Polygon pours and split planes (outlines as drawn)
no net on Int1 (GND) (split plane): 6979.9,1020.1 1020.1,1020.1 1020.1,4979.9 6979.9,4979.9
no net on Int2 (PWR) (split plane): 6979.9,1020.1 1020.1,1020.1 1020.1,4979.9 6979.9,4979.9
no net on Int4 (GND (split plane): 6979.9,1020.1 1020.1,1020.1 1020.1,4979.9 6979.9,4979.9
no net on Int5 (GND) (split plane): 6979.9,1020.1 1020.1,1020.1 1020.1,4979.9 6979.9,4979.9
no net on Int7 (PWR) (split plane): 6979.9,1020.1 1020.1,1020.1 1020.1,4979.9 6979.9,4979.9
no net on Int8 (GND) (split plane): 6979.9,1020.1 1020.1,1020.1 1020.1,4979.9 6979.9,4979.9

## Other copper
Top Layer:
  region net GND: 1070,4185 1340,4185 1340,4015 1070,4015
  region net GND: 1065,4725 1380,4725 1380,4470 1065,4470 1065,4485
  region net GND: 1685,4215 1895,4215 1895,4135 1685,4135
  region net USB_5V: 1690,4280 1885,4280 1885,4225 1690,4225
  region net GND: 2140,1542.5 2295,1542.5 2295,1460 2140,1460
  region net VDD: 2140,1615 2310,1615 2310,1555 2140,1555
  region net GND: 2880,2300 2985,2300 2985,1915 2885,1915
  region net 3V3: 2694.65,2300 2865,2300 2865,1920 2700,1920
  region net SW: 2420,2235 2535,2235 2535,1975 2370,1975 2370,2090 2410,2090 2420,2090
  region net SW: 2200,2170 2345,2170 2345,2090 2410,2090 2410,1885 2205,1885 2200,1890
  region net GND: 2195,1880 2350,1880 2350,1810 2195,1810
  region net VBAT: 4740,3150 4740,3325 5190,3325 5190,3145 5275,3145 5275,3395 4655,3395 4655,3150
  region net GND: 4790,3305 5145,3305 5145,3155 4790,3155
  region net NetC14_1: 5169.35,2960 5060.65,2960 5060.65,2995 5169.35,2995
  region net GND: 4885,3165 4885,2935 5015,2935 5015,3165
  region net NetC10_2: 4470,3095 4735,3095 4735,2955 4470,2955
  region net GND: 4820,2940 5080,2940 5080,2845 4820,2845
  region net 1V8: 4470,2940 4745,2940 4745,2800 4470,2800
  region net 1V8: 4800,2935 4800,2825 5100,2825 5100,2950 5165,2950 5165,2765 4735,2765 4735,2935
  region net GND: 2015,2440 2015,1855 1910,1855 1910,2440
  region net VBAT: 2410,2180 2165,2180 2165,2440 2410,2440
  region net VBAT: 2041.02,2440 2190,2440 2190,1850 2041.02,1850
  region net GND: 6395,2470 6545,2470 6545,2355 6700,2355 6700,2260 6395,2260
  region net VBAT_CON: 6020,2405 6305,2405 6305,2300 6020,2300
  region net VBAT: 6230,2487.29 6230,2615 6285,2615 6285,2680 6620,2680 6620,2635 6620,2492.71
  region net 1V2: 4680,2180 4680,2070 4980,2070 4980,2195 5045,2195 5045,2010 4615,2010 4615,2180
  region net 1V2: 4350,2185 4625,2185 4625,2045 4350,2045
  region net GND: 4700,2185 4960,2185 4960,2090 4700,2090
  region net NetC36_2: 4350,2340 4615,2340 4615,2200 4350,2200
  region net GND: 4765,2410 4765,2180 4895,2180 4895,2410
  region net NetC44_1: 5049.35,2205 4940.65,2205 4940.65,2240 5049.35,2240
  region net GND: 4670,2550 5025,2550 5025,2400 4670,2400
  region net VBAT: 4620,2395 4620,2570 5070,2570 5070,2390 5155,2390 5155,2640 4535,2640 4535,2395
Bottom Layer:
  region net GND: 2380,1695 2485,1695 2485,1595 2380,1595

## Text inside footprints (layer, text, board x,y; h text height)
J10: Mechanical 13 "PCB EDGE" at 1660.39,4660.51 h32 r90
P1: Mechanical 3 "NVIDIA Jetson Xavier AGX Module (Dev Kit)" at 13738.45,8222.87 h60 r90; Mechanical 3 "NVIDIA Jetson Xavier AGX Module (Dev Kit)" at 17163.64,12159.87 h60 r270; Mechanical 3 "NVIDIA Jetson Xavier AGX Module (Dev Kit)" at 17163.64,8222.87 h60 r180; Mechanical 3 "NVIDIA Jetson Xavier AGX Module (Dev Kit)" at 13738.45,12159.87 h60; Mechanical 2 "NVIDIA Jetson Xavier AGX Module (Production)" at 13787.67,12110.69 h60; Mechanical 2 "NVIDIA Jetson Xavier AGX Module (Production)" at 17114.47,12110.68 h60 r270; Mechanical 2 "NVIDIA Jetson Xavier AGX Module (Production)" at 17114.46,8272.07 h60 r180; Mechanical 2 "NVIDIA Jetson Xavier AGX Module (Production)" at 13787.66,8272.08 h60 r90
U9: Top Overlay "*" at 7843.5,13948.11 h50
U11: Top Overlay "*" at 12726.5,14963.11 h50
U12: Top Overlay "*" at 9656.25,3930.77 h50
U14: Top Overlay "*" at 7336.25,3930.77 h50
U17: Top Overlay "*" at 5482.5,4527.4 h50
U18: Top Overlay "*" at 5151.25,4675.77 h50
U19: Top Overlay "*" at 5156.25,4220.77 h50
U20: Top Overlay "*" at 5201.25,3780.77 h50
U21: Top Overlay "*" at 6017.5,4656.95 h50
U22: Top Overlay "*" at 5995,4219 h50
U23: Top Overlay "*" at 5995,3791.36 h50
U26: Top Overlay "*" at 1867.25,4592.6 h50 r180
U28: Top Overlay "*" at 2000,4580 h50 r270